# Altium PCB Shuttler_AFE.PcbDoc (part 3 of 5) (continued)
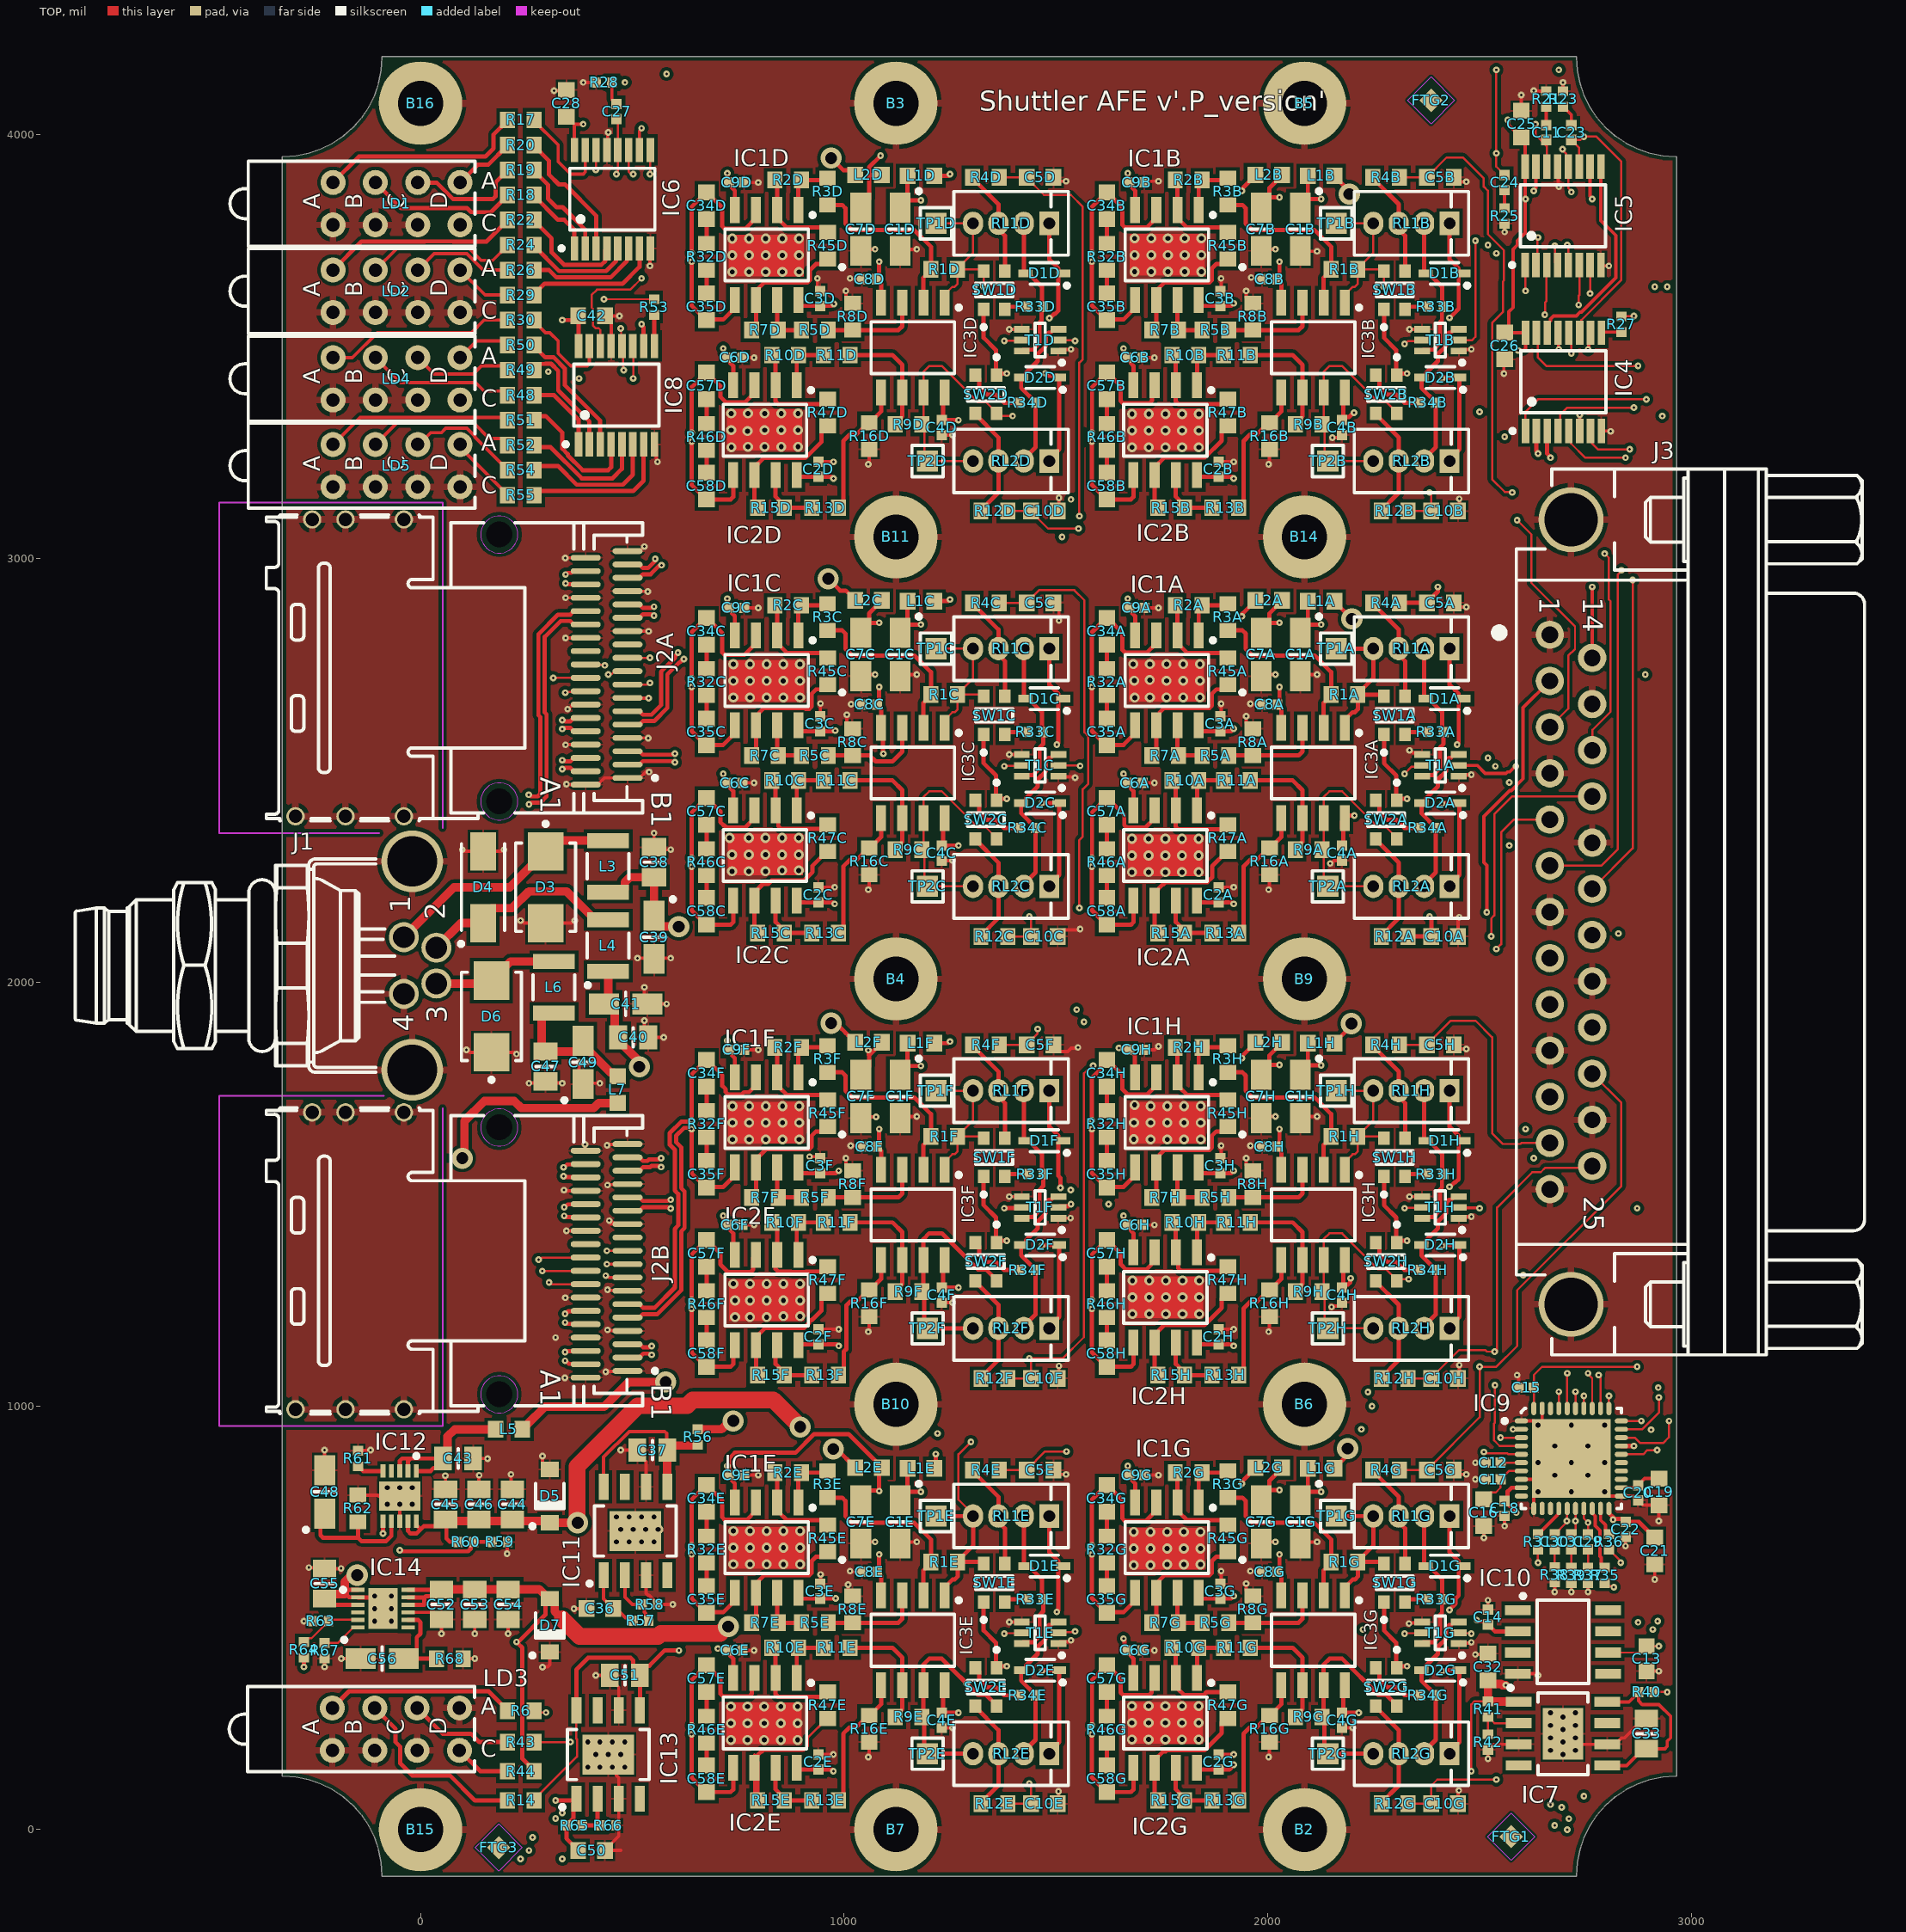
[diagram p0: TOP view]
## Nets (pads, with @x,y where several pads share a name; then routed paths per layer and width w, separated by ;. In a path a pad name is that pad's centre, name@x,y a point inside that pad or via, vN(x,y) a via of type N, cw(c..) or ccw(c..) an arc to the next point about the centre after c; other vN are vias at no path point) (continued)
  TOP w7.87: v1(-275.59,492.13) R63.1@-254.72,492.13 ; v1(-263.65,618.43) -228.67,618.43 C55.1@-226.38,616.14 -188.94,616.14 -188.65,616.43 v1(-187.65,616.43) ; v1(-226.38,383.86) R67.1@-226.38,403.54 ; C48.2@-226.38,848.43 v1(-226.38,895.67) ; v1(-187.01,403.54) C56.1@-141.73,403.54 ; R62.1@-147.64,789.37 -100.39,789.37 -98.43,787.4 IC12.11@-49.21,787.4 ; R61.1@-147.64,894.49 -119.29,894.49 v1(-118.11,895.67) ; IC12.8@-49.21,728.35 v2(-49.21,767.72) ; IC14.9@-29.53,512.8 32.48,512.8 C52.1@49.21,496.06 v1(49.21,462.6) ; v1(58.35,835.43) 59.06,834.72 C45.1@59.06,803.15 ; v1(98.43,2312.99) 100.56,2312.99 104.49,2309.06 D4.2@147.64,2309.06 190.78,2309.06 194.72,2312.99 v1(196.85,2312.99) ; R68.1@100.39,403.54 v1(127.95,403.54) ; v1(108.27,1840.55) 110.4,1840.55 116.3,1834.65 D6.1@167.32,1834.65 220.31,1834.65 224.25,1830.71 v1(226.38,1830.71) ; C43.1@124.02,875.98 157.8,875.98 v1(158.35,875.43) ; v1(127.95,462.6) C53.1@127.95,496.06 ; C46.1@137.8,803.15 137.8,835.88 v1(138.35,836.43) ; v1(204.35,651.43) 204.93,652.02 204.93,678.55 R59.1@205.51,679.13 ; v1(206.69,462.6) C54.1@206.69,496.06 ; v1(213.35,838.43) 213.35,806.34 C44.1@216.54,803.15 ; v1(236.22,2145.67) 238.35,2145.67 244.26,2139.76 D3.2@295.28,2139.76 356.14,2139.76 362.04,2145.67 v1(364.17,2145.67) ; v1(255.91,1761.81) 291.34,1761.81 C47.1@295.28,1765.75 299.21,1761.81 v1(334.65,1761.81) ; v1(287.97,383.43) 289.3,384.76 300.51,384.76 305.12,389.37 D7.1@305.12,419.29 ; v1(287.97,881.43) 287.97,864.57 302.15,850.39 D5.2@305.12,850.39 ; v1(314.96,4104.33) 342.52,4104.33 C28.1@344.49,4106.3 ; v1(338.35,1509.43) 339.91,1507.87 J2B.A15@389.76,1507.87 ; v1(341.35,3001.43) 341.88,3001.97 J2A.A18@389.76,3001.97 ; v1(342.35,2560.43) 342.64,2560.73 389.47,2560.73 J2A.A4@389.76,2561.02 ; v1(342.35,2812.43) 342.91,2812.99 J2A.A12@389.76,2812.99 ; v1(342.35,2907.43) 342.39,2907.48 J2A.A15@389.76,2907.48 ; v1(344.27,1413.51) 344.33,1413.45 J2B.A12@389.76,1413.39 J2B.A12@389.76,1413.39 ; v1(344.35,2467.43) 345.24,2466.54 J2A.A1@389.76,2466.54 418.31,2466.54 434.06,2482.28 J2A.B1@488.58,2482.28 517.13,2482.28 531.28,2496.43 v1(539.35,2496.43) ; v1(347.11,2644.67) 348.78,2644.67 359.62,2655.51 J2A.A7@389.76,2655.51 ; v1(362.2,521.65) C36.1@391.73,521.65 ; v1(374.02,1811.02) 374.02,1769.69 C49.1@383.86,1759.84 385.83,1761.81 v1(423.23,1761.81) ; v1(383.86,4124.02) R28.1@414.57,4124.02 ; v1(388.35,1617.43) 388.35,1603.78 J2B.A18@389.76,1602.36 ; v1(413.39,364.17) C51.2@446.85,364.17 446.85,357.28 467.91,336.22 IC13.6@467.91,281.5 ; v1(437.35,1080.43) 438.47,1081.56 493.98,1081.56 J2B.B1@495.1,1082.68 ; IC6.13@439.96,3964.57 441.44,3966.04 441.44,4004.43 v1(442.91,4005.91) ; v1(440.35,1615.43) 442.48,1615.43 444.02,1616.98 487.45,1616.98 J2B.B18@488.58,1618.11 ; v1(441.35,1179.43) 442.48,1178.29 487.45,1178.29 J2B.B4@488.58,1177.17 ; v1(441.35,1274.43) 443.48,1274.43 445.13,1272.78 487.45,1272.78 J2B.B7@488.58,1271.65 ; v1(441.35,1521.43) 442.44,1522.53 J2B.B15@492.25,1522.53 ; v1(445.38,1437.37) 446.89,1435.87 451.71,1435.87 J2B.B12@458.44,1429.13 ; 449.21,1429.13 J2B.B12@479.35,1429.13 ; IC8.13@449.8,3501.97 449.8,3558.07 C42.1@435.04,3572.83 v1(469.57,3572.83) ; v2(452.76,147.64) 462.6,137.8 462.6,127.95 467.91,122.64 IC13.3@467.91,72.83 467.91,-15.35 435.04,-48.23 C50.1@435.04,-49.21 472.44,-49.21 ; v1(472.44,895.67) C37.2@511.81,895.67 511.81,888.78 532.28,868.31 IC11.6@532.28,809.06 ; J2A.B4@488.58,2576.77 488.75,2576.6 537.18,2576.6 v1(537.35,2576.43) ; J2A.B7@488.58,2671.26 489,2670.85 537.93,2670.85 v1(538.35,2670.43) ; J2A.B12@488.58,2828.74 538.04,2828.74 v1(538.35,2828.43) ; J2A.B15@488.58,2923.23 488.98,2922.83 535.95,2922.83 v1(536.35,2922.43) ; J2A.B18@488.58,3017.72 517.63,3017.72 v1(528.35,3028.43) ; v1(511.81,2057.09) 549.21,2057.09 C39.2@551.18,2055.12 553.15,2057.09 v1(590.55,2057.09) ; v1(528.31,1909.45) 528.31,1879.17 C40.1@537.4,1870.08 v1(574.06,1870.08) ; v1(528.31,1988.19) 528.31,1955.94 C41.2@535.43,1948.82 v1(580.71,1948.82) ; IC11.3@532.28,600.39 532.28,558.07 537.72,552.64 539.49,552.64 559.84,532.28 R58.1@559.84,531.5 v1(595.55,531.5) ; v1(541.34,3690.94) 541.83,3691.44 541.83,3731.79 IC6.8@542.32,3732.28 ; v1(551.18,2352.36) C38.1@551.18,2318.9 557.09,2312.99 v1(590.55,2312.99) ; IC8.8@552.17,3269.69 557.09,3264.76 557.09,3232.6 559.21,3230.48 v1(559.21,3228.35) ; C6E.2@759.84,423.23 v1(787.4,423.23) ; C6F.2@759.84,1427.17 v1(787.4,1427.17) ; C6C.2@759.84,2470.47 v1(787.4,2470.47) ; C6D.2@759.84,3474.41 v1(787.4,3474.41) ; C9E.2@763.78,836.61 v1(797.24,836.61) ; C9F.2@763.78,1840.55 v1(797.24,1840.55) ; C9C.2@763.78,2883.86 v1(797.24,2883.86) ; C9D.2@763.78,3887.8 v1(797.24,3887.8) ; v1(918.35,1588.43) 939.12,1588.43 C3F.2@942.91,1584.65 ; v1(936.79,3661.42) 936.79,3638.01 C3D.2@942.91,3631.89 ; C2E.2@938.97,177.17 v1(974.41,177.17) ; C2F.2@938.97,1181.1 v1(987.28,1181.1) ; C2C.2@938.97,2224.41 v1(977.44,2224.41) ; C2D.2@938.97,3228.35 v1(974.91,3228.35) ; C3E.2@942.91,580.71 944.12,581.92 v1(944.12,602.25) ; C3C.2@942.91,2627.95 943.93,2628.97 v1(943.93,2657.9) ; v1(1003.94,1584.65) 1004.13,1584.46 1004.13,1568.9 1017.91,1555.12 R8F.1@1019.87,1555.12 ; v1(1003.94,3631.89) 1004.13,3631.7 1004.13,3616.14 1017.91,3602.36 R8D.1@1019.87,3602.36 ; v1(1006.35,2631.43) 1006.35,2611.95 R8C.1@1019.87,2598.43 ; v1(1009.19,578.42) 1009.19,561.86 R8E.1@1019.87,551.18 ; v1(1013.78,610.24) 1015.75,608.27 C8E.2@1041.53,608.27 ; v1(1013.78,3661.42) 1015.75,3659.45 C8D.2@1041.53,3659.45 ; v1(1015.46,1614.25) 1039.49,1614.25 C8F.2@1041.53,1612.2 ; v1(1016.35,2656.43) 1040.61,2656.43 C8C.2@1041.53,2655.51 ; C7E.1@1039.37,675.2 1043.31,679.13 v1(1072.83,679.13) ; C7F.1@1039.37,1679.13 1042.67,1682.43 v1(1075.35,1682.43) ; C7C.1@1039.37,2722.44 1043.31,2726.38 v1(1072.83,2726.38) ; C7D.1@1039.37,3726.38 1043.31,3730.32 v1(1072.83,3730.32) ; v1(1057.09,171.26) 1059.06,173.23 R16E.1@1059.06,206.69 ; v1(1057.09,1175.2) 1059.06,1177.17 R16F.1@1059.06,1210.63 ; v1(1057.09,2218.5) 1059.06,2220.47 R16C.1@1059.06,2253.94 ; v1(1057.09,3222.44) 1059.06,3224.41 R16D.1@1059.06,3257.87 ; C1E.2@1131.88,675.2 1135.82,679.13 v1(1171.26,679.13) ; C1F.2@1131.88,1679.13 1135.82,1683.07 v1(1171.26,1683.07) ; C1C.2@1131.88,2722.44 1135.82,2726.38 v1(1171.26,2726.38) ; C1D.2@1131.88,3726.38 1135.82,3730.32 v1(1171.26,3730.32) ; C4E.2@1230.32,240.16 v1(1255.91,240.16) ; C4F.2@1230.32,1244.09 v1(1255.91,1244.09) ; C4C.2@1230.32,2287.4 v1(1255.91,2287.4) ; C4D.2@1230.32,3291.34 v1(1255.91,3291.34) ; v1(1389.76,490.16) T1E.4@1419.29,490.16 ; v1(1389.76,1494.09) T1F.4@1419.29,1494.09 ; v1(1389.76,2537.4) T1C.4@1419.29,2537.4 ; v1(1389.76,3541.34) T1D.4@1419.29,3541.34 ; C5E.1@1494.09,848.43 1504.09,838.43 v1(1523.62,838.43) ; C5F.1@1494.09,1852.36 1508.83,1837.63 C5F.1@1508.83,1836.65 ; C5C.1@1494.09,2895.67 1507.05,2882.72 v1(1507.05,2853.72) ; C5D.1@1494.09,3899.61 1504.09,3889.61 1505.32,3890.83 v1(1523.62,3890.83) ; C10E.1@1503.94,61.02 1505.91,62.99 v1(1505.91,90.39) ; C10F.1@1503.94,1064.96 1507.05,1068.07 v1(1507.05,1094.33) ; C10C.1@1503.94,2108.27 1503.94,2109.25 1518.7,2124.02 1553.14,2124.02 1554.8,2125.67 v1(1556.93,2125.67) ; C10D.1@1503.94,3112.2 1507.05,3115.31 v1(1507.05,3143.7) ; T1E.1@1505.91,438.98 1509.84,442.91 1529.44,442.91 1533.3,446.77 v1(1535.43,446.77) ; T1F.1@1505.91,1442.91 1506.17,1443.17 1534.09,1443.17 v1(1534.35,1443.43) ; T1C.1@1505.91,2486.22 1507.58,2484.54 1543.77,2484.54 v1(1545.28,2483.04) ; T1D.1@1505.91,3490.16 1509.84,3494.09 v1(1535.43,3494.09) ; C5F.1@1508.86,1836.61 1528.17,1836.61 1536.2,1844.65 1550.29,1844.65 v1(1551.79,1846.15) ; C6G.2@1704.72,423.23 v1(1732.28,423.23) ; C6H.2@1704.72,1427.17 v1(1732.28,1427.17) ; C6A.2@1704.72,2470.47 v1(1732.28,2470.47) ; C6B.2@1704.72,3474.41 v1(1732.28,3474.41) ; C9G.2@1708.66,836.61 v1(1742.13,836.61) ; C9H.2@1708.66,1840.55 1732.68,1840.55 1740.96,1848.83 v1(1742.13,1848.83) ; C9A.2@1708.66,2883.86 v1(1742.13,2883.86) ; C9B.2@1708.66,3887.8 1711.69,3890.83 v1(1742.13,3890.83) ; C2G.2@1883.85,177.17 v1(1919.29,177.17) ; C2H.2@1883.85,1181.1 v1(1919.29,1181.1) ; C2A.2@1883.85,2224.41 v1(1919.29,2224.41) ; C2B.2@1883.85,3228.35 v1(1919.29,3228.35) ; C3G.2@1887.79,580.71 1889.76,582.68 v1(1889.76,610.24) ; C3H.2@1887.79,1584.65 1889.76,1586.62 v1(1889.76,1614.17) ; C3A.2@1887.79,2627.95 1889.76,2629.93 v1(1889.76,2657.48) ; C3B.2@1887.79,3631.89 1889.76,3633.86 v1(1889.76,3661.42) ; v1(1948.82,580.71) 1949.01,580.52 1949.01,564.96 1962.79,551.18 R8G.1@1964.76,551.18 ; v1(1948.82,1584.65) 1949.01,1584.46 1949.01,1568.9 1962.79,1555.12 R8H.1@1964.76,1555.12 ; v1(1948.82,2627.95) 1949.01,2627.76 1949.01,2612.2 1962.79,2598.43 R8A.1@1964.76,2598.43 ; v1(1948.82,3631.89) 1949.01,3631.7 1949.01,3616.14 1962.79,3602.36 R8B.1@1964.76,3602.36 ; v1(1958.66,610.24) 1960.63,608.27 C8G.2@1986.41,608.27 ; v1(1958.66,1614.17) 1960.63,1612.2 C8H.2@1986.41,1612.2 ; v1(1958.66,2657.48) 1960.63,2655.51 C8A.2@1986.41,2655.51 ; v1(1960.71,3663.46) 1982.4,3663.46 C8B.2@1986.41,3659.45 ; C7G.1@1984.25,675.2 1988.19,679.13 v1(2017.72,679.13) ; C7H.1@1984.25,1679.13 1988.19,1683.07 v1(2017.72,1683.07) ; C7A.1@1984.25,2722.44 1988.19,2726.38 v1(2017.72,2726.38) ; C7B.1@1984.25,3726.38 1988.19,3730.32 v1(2017.72,3730.32) ; v1(2001.97,171.26) 2003.94,173.23 R16G.1@2003.94,206.69 ; v1(2001.97,1175.2) 2003.94,1177.17 R16H.1@2003.94,1210.63 ; v1(2001.97,2218.5) 2003.94,2220.47 R16A.1@2003.94,2253.94 ; v1(2001.97,3222.44) 2003.94,3224.41 R16B.1@2003.94,3257.87 ; C1G.2@2076.77,675.2 2080.7,679.13 v1(2116.14,679.13) ; C1H.2@2076.77,1679.13 2080.7,1683.07 v1(2116.14,1683.07) ; C1A.2@2076.77,2722.44 2080.7,2726.38 v1(2116.14,2726.38) ; C1B.2@2076.77,3726.38 2077.71,3725.43 v1(2116.35,3725.43) ; v1(2147.35,2280.43) 2148.63,2280.43 2155.6,2287.4 C4A.2@2175.2,2287.4 ; v1(2150.35,1233.43) 2152.48,1233.43 2154.87,1235.83 2166.93,1235.83 C4H.2@2175.2,1244.09 ; v1(2152.35,3285.43) 2169.29,3285.43 C4B.2@2175.2,3291.34 ; C4G.2@2175.2,240.16 v1(2200.79,240.16) ; v1(2333.11,486.37) 2334.61,487.88 2361.89,487.88 T1G.4@2364.17,490.16 ; v1(2334.65,1494.09) T1H.4@2364.17,1494.09 ; v1(2334.65,2547.4) 2336.78,2547.4 2342.84,2541.34 2360.24,2541.34 T1A.4@2364.17,2537.4 ; v1(2334.65,3541.06) 2334.79,3541.2 2364.03,3541.2 T1B.4@2364.17,3541.34 ; C5G.1@2438.98,848.43 2448.98,838.43 v1(2468.5,838.43) ; C5H.1@2438.98,1852.36 2448.98,1842.36 v1(2468.5,1842.36) ; C5A.1@2438.98,2895.67 2448.98,2885.67 v1(2468.5,2885.67) ; C5B.1@2438.98,3899.61 2448.98,3889.61 v1(2468.5,3889.61) ; C10G.1@2448.82,61.02 2448.82,90.55 v1(2450.79,92.52) ; C10H.1@2448.82,1064.96 2451.93,1068.07 v1(2451.93,1096.46) ; C10A.1@2448.82,2108.27 2448.82,2148.46 2451.93,2151.57 v1(2451.93,2153.7) ; C10B.1@2448.82,3112.2 2451.93,3115.31 v1(2451.93,3141.1) ; T1G.1@2450.79,438.98 2454.72,442.91 2457.22,440.41 2478.88,440.41 v1(2480.32,441.85) ; T1H.1@2450.79,1442.91 2454.72,1446.85 v1(2480.32,1446.85) ; T1A.1@2450.79,2486.22 2454.72,2490.16 v1(2480.32,2490.16) ; T1B.1@2450.79,3490.16 2454.72,3494.09 v1(2480.32,3494.09) ; v1(2490.16,413.39) 2517.72,413.39 C32.1@2519.69,415.35 ; v1(2490.16,826.77) C17.2@2513.78,826.77 ; v1(2490.16,866.14) C12.2@2513.78,866.14 ; v1(2509.84,688.98) C16.1@2509.84,716.54 ; v1(2519.69,167.32) R42.1@2519.69,188.19 2520.47,188.19 2533.66,201.38 IC7.3@2592.52,201.38 ; C14.2@2519.69,519.69 v1(2519.69,541.34) ; v1(2557.35,3436.43) 2557.35,3468.76 C26.1@2559.06,3470.47 ; v1(2559.06,716.54) C18.2@2559.06,740.16 ; v1(2559.06,3770.91) R25.1@2559.06,3790.55 ; v1(2588.58,1072.83) 2588.58,1070.7 2592.52,1066.77 C15.2@2592.52,1043.31 ; IC10.4@2590.55,367.91 2634.06,367.91 v1(2637.8,364.17) ; IC9.8@2598.43,826.77 IC9.41@2667.32,826.77 ; IC9.1@2598.43,964.57 2627.95,964.57 IC9.41@2647.64,944.88 ; C25.1@2598.43,4057.09 v1(2598.43,4094.49) ; IC9.11@2627.95,757.87 2627.95,787.4 IC9.41@2667.32,826.77 ; v1(2627.95,4104.33) 2628.54,4103.74 2656.89,4103.74 R21.1@2657.48,4103.15 ; IC9.39@2647.64,994.09 IC9.41@2647.64,944.88 ; v1(2677.17,561.02) R38.1@2677.17,583.07 ; IC5.13@2684.06,3925.2 2685.53,3923.72 2685.53,3879.43 v1(2687.01,3877.95) ; IC4.13@2685.04,3533.46 2686.02,3532.48 2686.02,3495.08 v1(2687.01,3494.09) ; IC7.9@2696.85,226.38 2721.85,201.38 IC7.6@2801.18,201.38 2819.88,201.38 2834.65,216.14 2834.65,216.54 2841.54,216.54 2886.81,261.81 C33.2@2893.7,261.81 ; R23.1@2696.85,4103.15 v1(2696.85,4124.02) ; v1(2716.54,561.02) R39.1@2716.54,581.89 ; v1(2755.91,561.02) R37.1@2755.91,581.89 ; IC5.8@2786.42,3692.91 2788.39,3690.94 v1(2804.96,3690.94) ; IC4.8@2787.4,3301.18 2808.6,3301.18 v1(2809.35,3300.43) ; v1(2844.49,669.29) C22.2@2844.49,690.94 ; C13.1@2893.7,374.02 v1(2923.23,374.02) ; v1(2913.39,590.55) C21.1@2913.39,625.98 ; v1(2923.23,728.35) C19.1@2923.23,765.75 2885.83,765.75 C20.2@2874.02,777.56 2864.17,787.4 IC9.21@2834.65,787.4 2805.12,787.4 IC9.41@2716.54,875.98 ; J2B.B12@458.44,1429.13 J2B.B12@479.35,1429.13 ; J2B.B12@458.44,1429.13 J2B.B12@479.35,1429.13 ; IC9.41@2647.64,944.88 IC9.41@2716.54,875.98 ; IC9.41@2667.32,826.77 IC9.41@2716.54,875.98
  TOP w10: v2(732.41,211.69) v2(771.78,211.69) v2(811.15,251.06) ; v2(732.41,251.06) v2(771.78,251.06) ; v2(732.41,290.43) v2(771.78,251.06) ; v2(742.35,1249) v2(817.15,1249) ; v2(771.78,290.43) v2(811.15,251.06) ; v2(811.15,211.69) v2(811.15,251.06) ; v2(811.15,290.43) v2(811.15,251.06) ; v2(850.52,211.69) v2(811.15,251.06) ; v2(889.89,211.69) v2(850.52,251.06) ; v2(889.89,251.06) v2(850.52,251.06) ; v2(889.89,290.43) v2(850.52,290.43) v2(811.15,251.06) ; v2(1679.61,3262.69) v2@1714.9,3262.69 ; v2(1679.61,3302.06) v2(1718.98,3302.06) v2@1754.27,3302.06 ; v2(1679.61,3341.43) 1710,3311.04 1729.69,3311.04 ; v2(1683.61,624.06) v2(1722.98,624.06) v2(1762.35,663.43) ; v2(1683.61,663.43) v2(1722.98,663.43) ; v2(1683.61,702.8) v2(1722.98,663.43) ; v2(1718.98,3262.69) v2@1756.31,3300.02 ; v2(1718.98,3341.43) 1729.69,3330.72 1729.69,3311.04 ; v2(1721.35,2713.43) 1723.09,2711.69 v2(1760.97,2711.69) ; v2(1722.98,702.8) v2(1762.35,663.43) ; 1742.87,242.81 1767.87,267.81 ; 1742.87,2290.05 1767.87,2315.06 ; v2(1758.35,3262.69) 1763.24,3267.59 v2@1763.24,3302.06 ; v2(1758.35,3302.06) v2@1763.24,3306.96 ; v2@1758.35,3311.04 v2(1758.35,3341.43) ; v2(1762.35,625.95) v2(1762.35,663.43) ; v2(1762.35,702.8) v2(1762.35,663.43) ; v2@1762.76,3306.22 1762.76,3310.56 v2@1793.64,3341.43 ; v2@1763.24,3311.04 1729.69,3311.04 ; v2@1766.63,3307.65 1797.72,3276.57 v2(1797.72,3262.69) ; 1770.02,3312.99 1828.11,3312.99 ; 1788.74,3311.04 v2(1797.72,3302.06) v2(1837.09,3262.69) ; v2(1797.72,3341.43) v2@1793.64,3341.43 ; v2(1801.72,625.95) 1799.83,625.95 v2(1762.35,663.43) ; v2(1801.72,663.43) 1839.2,625.95 v2(1841.09,625.95) ; 1828.11,3311.04 v2(1837.09,3302.06) ; v2(1837.09,3341.43) v2@1793.64,3341.43 ; v2(1841.09,663.43) v2(1762.35,663.43) ; v2(1841.09,702.8) v2(1801.72,702.8) v2(1762.35,663.43) ; v2(771.78,251.06) v2(811.15,251.06) ; v2(811.15,251.06) v2(850.52,251.06) ; v2(1722.98,663.43) v2(1762.35,663.43)
  L3 w10: v2@724.41,206.69 763.78,206.69 v2@803.15,246.06 ; v2@724.41,246.06 v2@803.15,246.06 ; v2@724.41,285.43 v2@763.78,246.06 ; 728.35,1250 803.15,1250 ; v2@763.78,285.43 v2@803.15,246.06 ; v2@803.15,206.69 v2@803.15,246.06 ; v2@803.15,251.06 v2@803.15,285.43 ; v2@809.65,252.56 v2@803.15,246.06 ; v2(811.15,251.06) 816.15,251.06 850.52,285.43 v2@881.89,285.43 ; v2@842.52,206.69 v2@803.15,246.06 ; v2@881.89,206.69 v2@842.52,246.06 ; v2@881.89,246.06 v2@842.52,246.06 ; v2@1669.29,3257.87 v2@1712.27,3257.87 ; v2@1669.29,3297.24 v2@1751.64,3297.24 ; v2@1669.29,3336.61 1702.53,3303.38 1741.9,3303.38 ; v2@1683.07,620.08 1722.44,620.08 v2@1761.81,659.45 ; v2@1683.07,659.45 v2@1722.44,659.45 ; v2@1683.07,698.82 v2@1722.44,659.45 ; v2@1708.66,3257.87 v2@1712.27,3257.87 ; v2@1708.66,3336.61 1741.9,3303.38 ; v2(1721.35,2713.43) 1723.09,2711.69 v2(1760.97,2711.69) ; v2@1722.44,698.82 v2@1761.81,659.45 ; v2@1748.03,3257.87 1757.77,3267.61 v2@1757.77,3303.38 ; v2@1748.03,3297.24 v2@1751.64,3297.24 ; v2@1748.03,3336.61 1757.77,3326.87 v2@1757.77,3303.38 ; v2@1761.81,621.97 v2@1761.81,659.45 ; v2@1761.81,698.82 v2@1761.81,659.45 ; v2@1787.4,3257.87 1787.4,3273.75 v2@1757.77,3303.38 ; v2@1787.4,3336.61 1787.4,3333.01 v2@1757.77,3303.38 ; v2@1791.01,3336.61 v2@1826.77,3336.61 ; v2@1801.18,621.97 1799.29,621.97 v2@1761.81,659.45 ; v2@1801.18,659.45 1838.66,621.97 v2@1840.55,621.97 ; v2@1826.77,3257.87 1781.27,3303.38 ; v2@1826.77,3297.24 1820.64,3303.38 1781.27,3303.38 ; v2@1840.55,659.45 v2@1761.81,659.45 ; v2@1840.55,698.82 1801.18,698.82 v2@1761.81,659.45 ; v2@803.15,246.06 v2@842.52,246.06 ; v2@1712.27,3257.87 v2@1751.64,3297.24 ; v2@1722.44,659.45 v2@1761.81,659.45 ; 1741.9,3303.38 v2@1757.77,3303.38 ; v2@1751.64,3297.24 v2@1757.77,3303.38 ; v2@1757.77,3303.38 1781.27,3303.38
  L2 w10: v2@1669.29,3257.87 v2@1711.27,3257.87 ; v2@1669.29,3297.24 v2@1750.64,3297.24 ; v2@1669.29,3336.61 1701.53,3304.38 1740.9,3304.38 ; v2@1708.66,3257.87 v2@1711.27,3257.87 ; v2@1708.66,3336.61 1740.9,3304.38 ; v2@1748.03,3257.87 1757.77,3267.61 v2@1757.77,3304.38 ; v2@1748.03,3297.24 v2@1750.64,3297.24 ; v2@1748.03,3336.61 1757.77,3326.87 v2@1757.77,3304.38 ; v2@1787.4,3257.87 1787.4,3274.75 v2@1757.77,3304.38 ; v2@1787.4,3336.61 1787.4,3334.01 v2@1757.77,3304.38 ; v2@1790.01,3336.61 v2@1826.77,3336.61 ; v2@1826.77,3257.87 1780.27,3304.38 ; v2@1826.77,3297.24 1819.64,3304.38 1780.27,3304.38 ; v2@1711.27,3257.87 v2@1750.64,3297.24 ; 1740.9,3304.38 v2@1757.77,3304.38 ; v2@1750.64,3297.24 v2@1757.77,3304.38 ; v2@1757.77,3304.38 1780.27,3304.38
  other v1: 340.35,1066.43 318.72,1161.43 341.35,1255.43
  other v2: 394.76,147.64 423.23,147.64 482.28,147.64 413.39,177.17 442.91,177.17 472.44,177.17 2696.85,177.17 2667.32,187.01 2726.38,187.01 394.76,206.69 423.23,206.69 452.76,206.69 482.28,206.69 2696.85,206.69 1679.29,212.69 1718.66,212.69 1758.03,212.69 1797.4,212.69 1836.77,212.69 2667.32,216.54 2726.38,216.54 2696.85,236.22 2667.32,246.06 2726.38,246.06 1679.29,252.06 1718.66,252.06 1758.03,252.06 1797.4,252.06 1836.77,252.06 2696.85,265.75 2667.32,275.59 2726.38,275.59 1679.29,291.43 1718.66,291.43 1758.03,291.43 1797.4,291.43 1836.77,291.43 738.35,626.08 777.72,626.08 817.09,626.08 856.46,626.08 895.83,626.08 738.35,665.45 777.72,665.45 817.09,665.45 856.46,665.45 895.83,665.45 462.6,679.13 492.13,679.13 521.65,679.13 551.18,679.13 738.35,704.82 777.72,704.82 817.09,704.82 856.46,704.82 895.83,704.82 472.44,708.66 501.97,708.66 531.5,708.66 561.02,708.66 462.6,738.19 492.13,738.19 521.65,738.19 551.18,738.19 -78.74,767.72 -19.69,767.72 2637.8,797.24 2716.54,797.24 2795.28,797.24 -78.74,807.09 -49.21,807.09 -19.69,807.09 2677.17,836.61 2755.91,836.61 2637.8,866.14 2716.54,866.14 2795.28,866.14 2677.17,905.51 2755.91,905.51 2637.8,954.72 2716.54,954.72 2795.28,954.72 742.35,1209.63 777.78,1209.63 817.15,1209.63 856.52,1211.6 895.89,1211.6 1680.61,1217.06 1719.98,1217.06 1759.35,1217.06 1798.72,1217.06 1838.09,1217.06 777.78,1249 856.52,1249 895.89,1249 1680.61,1256.43 1719.98,1256.43 1759.35,1256.43 1798.72,1256.43 1838.09,1256.43 738.41,1288.37 777.78,1288.37 817.15,1288.37 856.52,1288.37 895.89,1288.37 1680.61,1295.8 1719.98,1295.8 1759.35,1295.8 1798.72,1295.8 1838.09,1295.8 736.35,1629.02 775.72,1629.02 815.09,1629.02 854.46,1629.02 893.83,1629.02 1683.74,1629.49 1723.44,1629.02 1762.81,1629.02 1802.18,1629.02 1841.55,1629.02 736.35,1668.39 775.72,1668.39 815.09,1668.39 854.46,1668.39 893.83,1668.39 1684.07,1668.39 1723.44,1668.39 1762.81,1668.39 1802.18,1668.39 1841.55,1668.39 736.35,1707.76 775.72,1707.76 815.09,1707.76 854.46,1707.76 893.83,1707.76 1723.44,1707.76 1762.81,1707.76 1802.18,1707.76 1841.55,1707.76 1685.74,1710.49 1679.29,2259.94 1718.66,2259.94 1758.03,2259.94 1797.4,2259.94 1836.77,2259.94 735.41,2261.94 774.78,2261.94 814.15,2261.94 853.52,2263.91 892.89,2263.91 1679.29,2299.31 1718.66,2299.31 1758.03,2299.31 1797.4,2299.31 1836.77,2299.31 735.41,2301.31 774.78,2301.31 814.15,2301.31 853.52,2301.31 892.89,2301.31 1679.29,2338.68 1718.66,2338.68 1758.03,2338.68 1797.4,2338.68 1836.77,2338.68 729.5,2340.68 774.78,2340.68 814.15,2340.68 853.52,2340.68 892.89,2340.68 738.24,2672.06 777.61,2672.06 816.98,2672.06 856.35,2672.06 895.72,2672.06 1685.82,2671.9 1721.6,2672.32 1760.97,2672.32 1800.34,2672.32 1839.71,2672.32 738.24,2711.43 777.61,2711.43 816.98,2711.43 856.35,2711.43 895.72,2711.43 1684.82,2711.9 1800.34,2711.69 1839.71,2711.69 738.24,2750.8 777.61,2750.8 816.98,2750.8 856.35,2750.8 895.72,2750.8 1682.23,2751.06 1721.6,2751.06 1760.97,2751.06 1800.34,2751.06 1839.71,2751.06 733.82,3262.9 772.78,3263.87 812.15,3263.87 851.52,3263.87 890.89,3263.87 771.82,3300.9 733.41,3303.24 812.15,3303.24 851.52,3303.24 890.89,3303.24 733.41,3342.61 772.78,3342.61 812.15,3342.61 851.52,3342.61 890.89,3342.61 735.87,3676.69 775.24,3676.69 814.61,3676.69 853.98,3676.69 893.35,3676.69 1685.61,3677.06 1724.98,3677.06 1764.35,3677.06 1803.72,3677.06 1843.09,3677.06 735.87,3716.06 775.24,3716.06 814.61,3716.06 853.98,3716.06 893.35,3716.06 1685.61,3716.43 1724.98,3716.43 1764.35,3716.43 1803.72,3716.43 1843.09,3716.43 735.87,3755.43 775.24,3755.43 814.61,3755.43 853.98,3755.43 893.35,3755.43 1685.61,3755.8 1724.98,3755.8 1764.35,3755.8 1803.72,3755.8 1843.09,3755.8
LED0: IC6.15 R17.1 | length 252.5
  TOP w7.87: R17.1@267.72,4035.43 267.72,4033.46 324.8,3976.38 324.8,3937.01 354.33,3907.48 383.86,3907.48 388.78,3912.4 IC6.15@388.78,3964.57
LED1: IC6.1 R18.1 | length 174.3
  TOP w10: R18.1@267.72,3858.27 267.72,3856.3 324.31,3799.7 339.31,3799.7 363.19,3775.83 IC6.1@363.19,3732.28
LED2: IC6.2 R19.1 | length 243.7
  TOP w10: R19.1@267.72,3917.32 267.72,3915.35 300.7,3882.37 300.7,3849.65 320.97,3829.39 335.53,3829.39 388.78,3776.13 IC6.2@388.78,3732.28
LED3: IC6.3 R20.1 | length 313.4
  TOP w10: R20.1@267.72,3976.38 267.72,3974.41 303.37,3938.76 303.37,3906.04 326.3,3883.11 340.86,3883.11 414.37,3809.6 IC6.3@414.37,3732.28
LED4: IC6.4 R22.1 | length 267.4
  TOP w10: R22.1@267.72,3799.21 267.72,3797.24 309.47,3755.49 309.47,3722.78 338.5,3693.74 391.89,3693.74 401.37,3693.74 427.37,3693.74 436.1,3702.47 436.1,3728.43 IC6.4@439.96,3732.28
LED5: IC6.5 R24.1 | length 261.8
  TOP w10: R24.1@267.72,3740.16 267.72,3738.19 327.17,3678.74 398.1,3678.74 437.96,3678.74 461.69,3702.47 461.69,3728.43 IC6.5@465.55,3732.28
LED6: IC6.6 R26.1 | length 274.2
  TOP w10: R26.1@267.72,3681.1 303.59,3681.1 320.95,3663.74 404.31,3663.74 448.55,3663.74 487.28,3702.47 487.28,3728.43 IC6.6@491.14,3732.28
LED7: IC6.7 R29.1 | length 321.3
  TOP w10: R29.1@267.72,3622.05 267.72,3624.02 292.44,3648.74 410.53,3648.74 476.73,3648.74 516.73,3688.74 IC6.7@516.73,3732.28
LED8: IC8.15 R30.1 | length 238.6
  TOP w7.87: R30.1@267.72,3562.99 267.72,3561.02 295.28,3533.46 305.12,3533.46 324.8,3513.78 324.8,3484.25 354.33,3454.72 393.7,3454.72 398.62,3459.65 IC8.15@398.62,3501.97
LED9: IC8.1 R48.1 | length 189.5
  TOP w10: R48.1@267.72,3385.83 R48.1@272.64,3385.83 ; R48.1@272.64,3390.75 277.56,3385.83 314.96,3385.83 373.03,3327.76 IC8.1@373.03,3269.69
LED10: IC8.2 R49.1 | length 275.6
  TOP w10: R49.1@267.72,3444.88 267.72,3446.85 280.43,3459.57 294.53,3459.57 294.92,3459.96 308.17,3459.96 324.8,3443.33 324.8,3397.2 398.62,3323.38 IC8.2@398.62,3269.69
LED11: IC8.3 R50.1 | length 310.6
  TOP w10: R50.1@267.72,3503.94 267.72,3501.97 294.73,3474.96 314.39,3474.96 340.39,3448.95 340.39,3409.61 424.21,3325.79 IC8.3@424.21,3269.69
LED12: IC8.4 R51.1 | length 320
  TOP w10: R51.1@267.72,3326.77 277.56,3336.61 295.28,3336.61 334.65,3297.24 334.65,3259.4 347.34,3246.71 347.34,3243.83 382.51,3208.66 442.91,3208.66 449.8,3215.55 IC8.4@449.8,3269.69
LED13: IC8.5 R52.1 | length 307.3
  TOP w10: R52.1@267.72,3267.72 272.56,3262.87 307.09,3262.87 380.51,3189.45 453.23,3189.45 475.39,3211.61 IC8.5@475.39,3269.69
LED14: IC8.6 R54.1 | length 337.1
  TOP w10: R54.1@267.72,3208.66 277.56,3218.5 324.8,3218.5 368.86,3174.45 477.6,3174.45 500.98,3197.83 IC8.6@500.98,3269.69
LED15: IC8.7 R55.1 | length 358.8
  TOP w10: R55.1@267.72,3149.61 277.56,3159.45 501.97,3159.45 526.57,3184.06 IC8.7@526.57,3269.69
N12V0_CHA: C6A.1 C7A.2 C8A.1 C9A.1 IC1A.4 IC2A.4 IC3A.4 L2A.1 | length 1424.3
  TOP w10: v1(1659.45,2491.97) 1659.45,2490.41 1662.09,2487.78 1662.09,2477.68 1676.5,2463.27 1676.5,2457.4 1682.87,2451.02 IC2A.4@1682.87,2405.51 ; v1(1669.29,2905.51) 1669.29,2887.8 C9A.1@1673.23,2883.86 1680.43,2876.65 1680.43,2870.78 1686.81,2864.41 IC1A.4@1686.81,2818.9 ; C7A.2@1984.25,2824.8 C7A.2@1994.09,2834.65 ; v1(2027.56,2696.85) 2027.56,2661.23 C8A.1@2021.84,2655.51 2031.89,2645.47 IC3A.4@2031.89,2600.39 ; v1(2027.56,2848.58) 2003.86,2848.58 1994.09,2838.82 C7A.2@1994.09,2834.65 ; L2A.1@2033.46,2901.57 2033.46,2900.59 2003.86,2870.98 2003.86,2844.41 C7A.2@1994.09,2834.65
  L2 w10: v1(1659.45,2491.97) 1659.45,2493.52 1669.29,2503.37 1669.29,2617.43 1643.35,2643.38 1643.35,2775.94 1643.35,2879.57 v1(1669.29,2905.51) 1757.87,2816.93 2027.56,2816.93 ; v1(2027.56,2696.85) 2027.56,2706.69 2035.59,2714.72 2035.59,2757.72 2027.56,2765.75 2027.56,2816.93 ; v1(2027.56,2848.58) 2027.56,2816.93
N12V0_CHB: C6B.1 C7B.2 C8B.1 C9B.1 IC1B.4 IC2B.4 IC3B.4 L2B.1 | length 1400.8
  TOP w10: v1(1659.45,3496.06) 1659.45,3484.25 C6B.1@1669.29,3474.41 1676.5,3467.2 1676.5,3461.33 1682.87,3454.96 IC2B.4@1682.87,3409.45 ; v1(1669.29,3909.29) 1670.39,3908.19 1670.39,3890.63 1680.43,3880.59 1680.43,3874.72 1686.81,3868.35 IC1B.4@1686.81,3822.83 ; C7B.2@1984.25,3828.74 2003.86,3848.35 C7B.2@2003.86,3852.52 ; v1(2027.56,3700.79) 2027.56,3665.16 C8B.1@2021.84,3659.45 2031.89,3649.4 IC3B.4@2031.89,3604.33 ; v1(2027.56,3852.52) C7B.2@2003.86,3852.52 ; L2B.1@2033.46,3905.51 2033.46,3904.53 2003.86,3874.92 C7B.2@2003.86,3852.52
  L3 w10: v1(1669.29,3909.29) 1970.79,3909.29 v1(2027.56,3852.52)
  L2 w10: v1(1659.45,3496.06) 1624.02,3531.5 1624.02,3864.17 1669.13,3909.29 v1(1669.29,3909.29) ; v1(2027.56,3700.79) 2027.56,3710.63 2035.59,3718.66 2035.59,3761.65 2027.56,3769.69 v1(2027.56,3852.52)
N12V0_CHC: C6C.1 C7C.2 C8C.1 C9C.1 IC1C.4 IC2C.4 IC3C.4 L2C.1 | length 1488.8
  TOP w10: v1(714.57,2492.13) 714.57,2480.31 C6C.1@724.41,2470.47 731.61,2463.27 731.61,2457.4 737.99,2451.02 IC2C.4@737.99,2405.51 ; v1(724.41,2905.51) 724.41,2887.8 C9C.1@728.35,2883.86 735.55,2876.65 735.55,2870.78 741.92,2864.41 IC1C.4@741.92,2818.9 ; C7C.2@1039.37,2824.8 C7C.2@1049.21,2834.65 ; v1(1082.68,2696.85) 1082.68,2661.23 C8C.1@1076.96,2655.51 1087.01,2645.47 IC3C.4@1087.01,2600.39 1091.42,2595.98 1091.42,2540.47 v1(1092.52,2539.37) ; v1(1082.68,2848.58) 1058.98,2848.58 1049.21,2838.82 C7C.2@1049.21,2834.65 ; L2C.1@1088.58,2901.57 1088.58,2900.59 1058.98,2870.98 1058.98,2844.41 C7C.2@1049.21,2834.65
  L3 w10: v1(714.57,2492.13) 1045.28,2492.13 v1(1092.52,2539.37)
  L2 w10: v1(714.57,2492.13) 690.35,2516.35 690.35,2871.45 v1(724.41,2905.51) ; v1(1082.68,2696.85) 1082.68,2706.69 1090.71,2714.72 1090.71,2757.72 1082.68,2765.75 v1(1082.68,2848.58)
N12V0_CHD: C6D.1 C7D.2 C8D.1 C9D.1 IC1D.4 IC2D.4 IC3D.4 L2D.1 | length 1567.7
  TOP w10: v1(714.57,3496.06) 714.57,3484.25 C6D.1@724.41,3474.41 731.61,3467.2 731.61,3461.33 737.99,3454.96 IC2D.4@737.99,3409.45 ; v1(724.41,3909.45) 724.41,3891.73 C9D.1@728.35,3887.8 735.55,3880.59 735.55,3874.72 741.92,3868.35 IC1D.4@741.92,3822.83 ; C7D.2@1039.37,3828.74 1058.98,3848.35 1058.98,3874.92 1058.98,3905.51 ; v1(1082.68,3700.79) 1082.68,3665.16 C8D.1@1076.96,3659.45 1087.01,3649.4 IC3D.4@1087.01,3604.33 ; v1(1085.87,3950.96) 1058.98,3924.06 1058.98,3905.51 ; L2D.1@1088.58,3905.51 1058.98,3905.51
  L3 w10: v1(724.41,3909.45) 795.32,3980.35 1041.43,3980.35 1060.19,3961.59 1073.68,3961.59 1084.31,3950.96 v1(1085.87,3950.96)
  L2 w10: v1(714.57,3496.06) 688.98,3521.65 688.98,3828.74 724.41,3864.17 v1(724.41,3909.45) ; v1(1082.68,3700.79) 1082.68,3710.63 1090.71,3718.66 1090.71,3761.65 1078.35,3774.02 1078.35,3923.08 1084.77,3929.5 1084.77,3949.86 v1(1085.87,3950.96)
N12V0_CHE: C6E.1 C7E.2 C8E.1 C9E.1 IC1E.4 IC2E.4 IC3E.4 L2E.1 | length 1413.1
  TOP w10: v1(701.97,427.46) 703.07,426.36 721.28,426.36 C6E.1@724.41,423.23 731.61,416.02 731.61,410.15 737.99,403.78 IC2E.4@737.99,358.27 ; IC1E.4@741.92,771.65 741.92,817.17 735.55,823.54 735.55,829.41 C9E.1@728.35,836.61 728.35,858.27 728.35,875.98 741.8,889.43 884.84,889.43 928.84,933.43 1010.46,933.43 1088.58,855.32 L2E.1@1088.58,854.33 1082.68,848.43 v1(1082.68,799.06) 1081.58,800.16 C7E.2@1060.16,800.16 ; v1(1082.68,649.61) 1082.68,613.98 C8E.1@1076.96,608.27 1087.01,598.22 IC3E.4@1087.01,553.15
  L2 w10: v1(701.97,427.46) 701.97,454.31 688.55,467.74 688.55,570.44 698.82,580.71 698.82,728.35 724.41,753.94 v1(724.41,858.27) ; v1(1082.68,649.61) 1082.68,659.45 1090.71,667.48 1090.71,710.47 1082.68,718.5 v1(1082.68,799.06)
N12V0_CHF: C6F.1 C7F.2 C8F.1 C9F.1 IC1F.4 IC2F.4 IC3F.4 L2F.1 | length 1397.6
  TOP w10: v1(714.57,1448.82) 714.57,1437.01 C6F.1@724.41,1427.17 731.61,1419.96 731.61,1414.09 737.99,1407.72 737.99,1360.24 IC2F.4@741.93,1356.3 ; v1(724.41,1862.2) 724.41,1844.49 C9F.1@728.35,1840.55 735.55,1833.35 735.55,1827.48 741.92,1821.1 IC1F.4@741.92,1775.59 ; C7F.2@1039.37,1781.5 1058.98,1801.1 1058.98,1822.01 1058.98,1827.68 ; v1(1057.17,1839.88) 1058.26,1838.78 1058.26,1828.39 1058.98,1827.68 ; v1(1082.68,1653.54) 1082.68,1617.92 C8F.1@1076.96,1612.2 1087.01,1602.16 IC3F.4@1087.01,1557.09 ; L2F.1@1088.58,1858.27 1088.58,1857.28 1058.98,1827.68
  L3 w10: v1(724.41,1862.2) 1034.84,1862.2 v1(1057.17,1839.88)
  L2 w10: v1(714.57,1448.82) 688.35,1475.04 688.35,1826.14 v1(724.41,1862.2) ; v1(1057.17,1839.88) 1093.22,1803.83 1093.22,1665.64 1082.68,1655.1 v1(1082.68,1653.54)
N12V0_CHG: C6G.1 C7G.2 C8G.1 C9G.1 IC1G.4 IC2G.4 IC3G.4 L2G.1 | length 1539.1
  TOP w10: v1(1659.45,450.94) 1659.45,449.39 1662.09,446.75 1662.09,430.43 1676.5,416.02 1676.5,410.15 1682.87,403.78 IC2G.4@1682.87,358.27 ; v1(1669.29,858.11) 1670.39,857.01 1670.39,839.45 1680.43,829.41 1680.43,823.54 1686.81,817.17 IC1G.4@1686.81,771.65 ; C7G.2@1984.25,777.56 C7G.2@1994.09,787.4 ; v1(2027.56,649.61) 2027.56,613.98 C8G.1@2021.84,608.27 2031.89,598.22 IC3G.4@2031.89,553.15 ; v1(2027.56,801.34) 2003.86,801.34 1994.09,791.57 C7G.2@1994.09,787.4 ; L2G.1@2033.46,854.33 2033.46,853.35 2003.86,823.74 2003.86,797.17 C7G.2@1994.09,787.4
  L2 w10: v1(1659.45,450.94) 1661,450.94 1674.73,464.67 1685.14,464.67 1785.43,564.96 1887.8,564.96 1917.32,594.49 1917.32,696.85 1960.63,740.16 2027.56,740.16 ; v1(1669.29,858.11) 1671.09,856.31 1671.25,856.31 1757.87,769.69 2027.56,769.69 ; v1(2027.56,649.61) 2027.56,659.45 2035.59,667.48 2035.59,710.47 2027.56,718.5 2027.56,740.16 ; v1(2027.56,801.34) 2027.56,769.69 ; 2027.56,740.16 2027.56,769.69